# KiCad board woodpecker.kicad_pcb (continued)
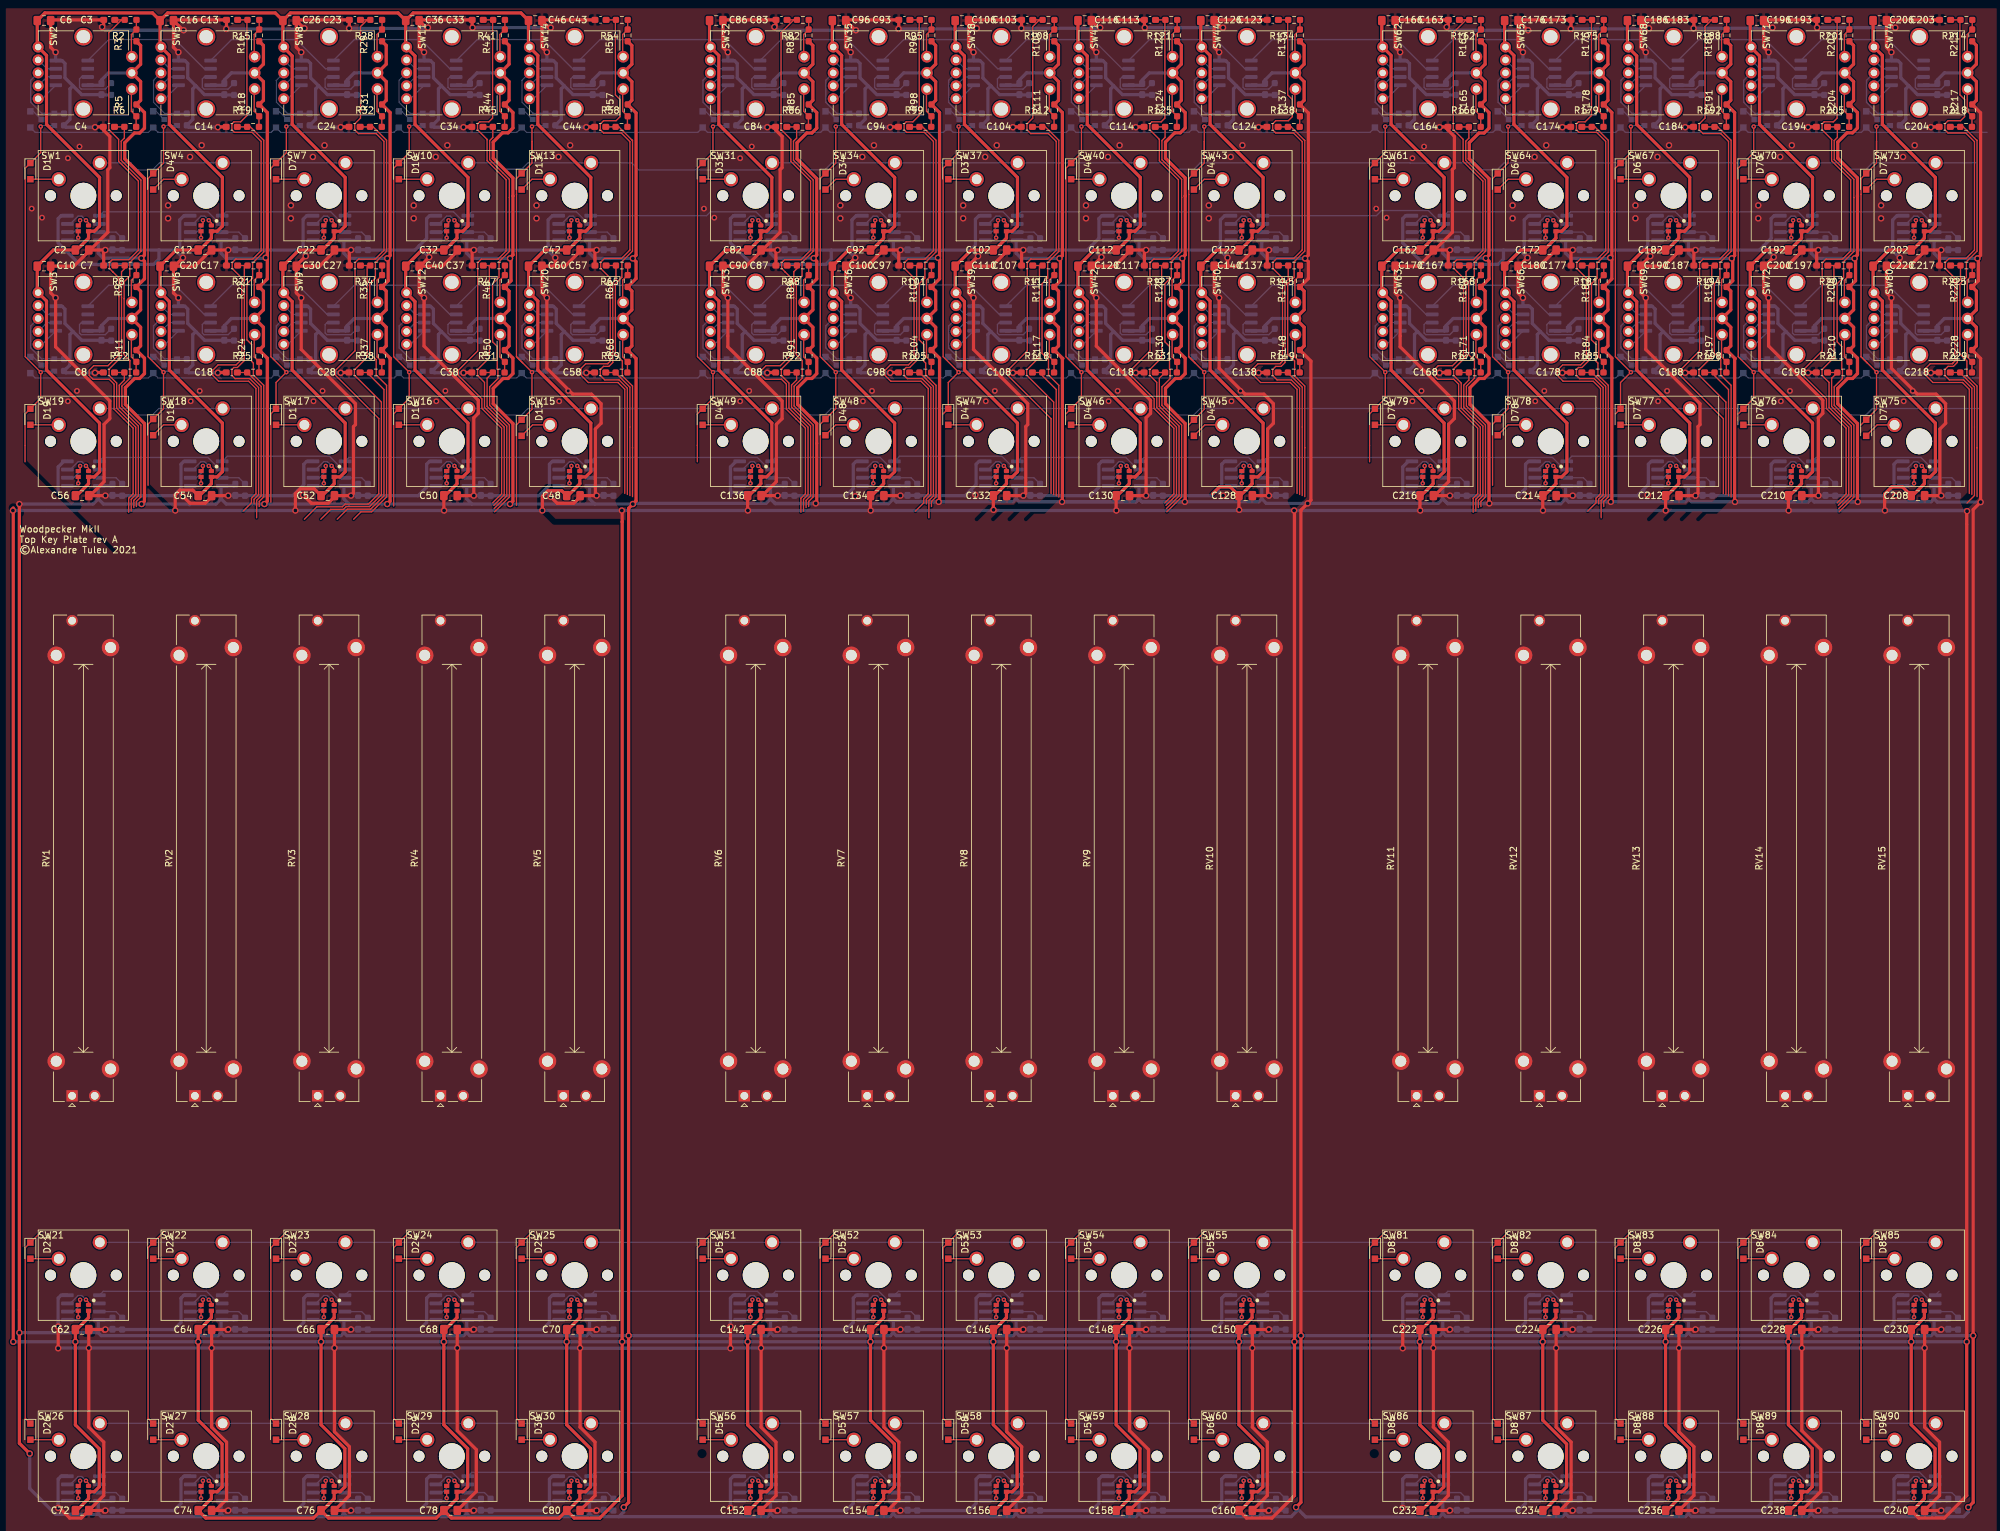
[diagram p0: board, top side]
## Placement (name value [footprint] x y rotation side) (continued)
D2  1N4148WS  [D_SOD-323_HandSoldering]  0 215.2 270 bottom
D3  1N4148WS  [D_SOD-323_HandSoldering]  0 177.2 270 bottom
D4  1N4148WS  [D_SOD-323_HandSoldering]  19 205.6 270 top
D5  1N4148WS  [D_SOD-323_HandSoldering]  19 215.2 270 bottom
D6  1N4148WS  [D_SOD-323_HandSoldering]  19 177.2 270 bottom
D7  1N4148WS  [D_SOD-323_HandSoldering]  38 207.2 270 top
D8  1N4148WS  [D_SOD-323_HandSoldering]  38 215.2 270 bottom
D9  1N4148WS  [D_SOD-323_HandSoldering]  38 177.2 270 bottom
D10  1N4148WS  [D_SOD-323_HandSoldering]  57 207.2 270 top
D11  1N4148WS  [D_SOD-323_HandSoldering]  57 215.2 270 bottom
D12  1N4148WS  [D_SOD-323_HandSoldering]  57 177.2 270 bottom
D13  1N4148WS  [D_SOD-323_HandSoldering]  76 205.6 270 top
D14  1N4148WS  [D_SOD-323_HandSoldering]  76 215.2 270 bottom
D15  1N4148WS  [D_SOD-323_HandSoldering]  76 167.5 270 top
D16  1N4148WS  [D_SOD-323_HandSoldering]  57 169.2 270 top
D17  1N4148WS  [D_SOD-323_HandSoldering]  38 169.2 270 top
D18  1N4148WS  [D_SOD-323_HandSoldering]  19 167.6 270 top
D19  1N4148WS  [D_SOD-323_HandSoldering]  0 169.2 270 top
D20  1N4148WS  [D_SOD-323_HandSoldering]  76 177.2 270 bottom
D21  1N4148WS  [D_SOD-323_HandSoldering]  0 40.2 270 top
D22  1N4148WS  [D_SOD-323_HandSoldering]  19 40.2 270 top
D23  1N4148WS  [D_SOD-323_HandSoldering]  38 40.2 270 top
D24  1N4148WS  [D_SOD-323_HandSoldering]  57 40.2 270 top
D25  1N4148WS  [D_SOD-323_HandSoldering]  76 40.2 270 top
D26  1N4148WS  [D_SOD-323_HandSoldering]  0 12.2 270 top
D27  1N4148WS  [D_SOD-323_HandSoldering]  19 12.2 270 top
D28  1N4148WS  [D_SOD-323_HandSoldering]  38 12.2 270 top
D29  1N4148WS  [D_SOD-323_HandSoldering]  57 12.2 270 top
D30  1N4148WS  [D_SOD-323_HandSoldering]  76 12.2 270 top
D31  1N4148WS  [D_SOD-323_HandSoldering]  104 207.2 270 top
D32  1N4148WS  [D_SOD-323_HandSoldering]  104 215.2 270 bottom
D33  1N4148WS  [D_SOD-323_HandSoldering]  104 177.2 270 bottom
D34  1N4148WS  [D_SOD-323_HandSoldering]  123 205.6 270 top
D35  1N4148WS  [D_SOD-323_HandSoldering]  123 215.2 270 bottom
D36  1N4148WS  [D_SOD-323_HandSoldering]  123 177.2 270 bottom
D37  1N4148WS  [D_SOD-323_HandSoldering]  142 207.2 270 top
D38  1N4148WS  [D_SOD-323_HandSoldering]  142 215.2 270 bottom
D39  1N4148WS  [D_SOD-323_HandSoldering]  142 177.2 270 bottom
D40  1N4148WS  [D_SOD-323_HandSoldering]  161 207.2 270 top
D41  1N4148WS  [D_SOD-323_HandSoldering]  161 215.2 270 bottom
D42  1N4148WS  [D_SOD-323_HandSoldering]  161 177.2 270 bottom
D43  1N4148WS  [D_SOD-323_HandSoldering]  180 205.6 270 top
D44  1N4148WS  [D_SOD-323_HandSoldering]  180 215.2 270 bottom
D45  1N4148WS  [D_SOD-323_HandSoldering]  180 167.5 270 top
D46  1N4148WS  [D_SOD-323_HandSoldering]  161 169.2 270 top
D47  1N4148WS  [D_SOD-323_HandSoldering]  142 169.2 270 top
D48  1N4148WS  [D_SOD-323_HandSoldering]  123 167.6 270 top
D49  1N4148WS  [D_SOD-323_HandSoldering]  104 169.2 270 top
D50  1N4148WS  [D_SOD-323_HandSoldering]  180 177.2 270 bottom
D51  1N4148WS  [D_SOD-323_HandSoldering]  104 40.2 270 top
D52  1N4148WS  [D_SOD-323_HandSoldering]  123 40.2 270 top
D53  1N4148WS  [D_SOD-323_HandSoldering]  142 40.2 270 top
D54  1N4148WS  [D_SOD-323_HandSoldering]  161 40.2 270 top
D55  1N4148WS  [D_SOD-323_HandSoldering]  180 40.2 270 top
D56  1N4148WS  [D_SOD-323_HandSoldering]  104 12.2 270 top
D57  1N4148WS  [D_SOD-323_HandSoldering]  123 12.2 270 top
D58  1N4148WS  [D_SOD-323_HandSoldering]  142 12.2 270 top
D59  1N4148WS  [D_SOD-323_HandSoldering]  161 12.2 270 top
D60  1N4148WS  [D_SOD-323_HandSoldering]  180 12.2 270 top
D61  1N4148WS  [D_SOD-323_HandSoldering]  208 207.2 270 top
D62  1N4148WS  [D_SOD-323_HandSoldering]  208 215.2 270 bottom
D63  1N4148WS  [D_SOD-323_HandSoldering]  208 177.2 270 bottom
D64  1N4148WS  [D_SOD-323_HandSoldering]  227 205.6 270 top
D65  1N4148WS  [D_SOD-323_HandSoldering]  227 215.2 270 bottom
D66  1N4148WS  [D_SOD-323_HandSoldering]  227 177.2 270 bottom
D67  1N4148WS  [D_SOD-323_HandSoldering]  246 207.2 270 top
D68  1N4148WS  [D_SOD-323_HandSoldering]  246 215.2 270 bottom
D69  1N4148WS  [D_SOD-323_HandSoldering]  246 177.2 270 bottom
D70  1N4148WS  [D_SOD-323_HandSoldering]  265 207.2 270 top
D71  1N4148WS  [D_SOD-323_HandSoldering]  265 215.2 270 bottom
D72  1N4148WS  [D_SOD-323_HandSoldering]  265 177.2 270 bottom
D73  1N4148WS  [D_SOD-323_HandSoldering]  284 205.6 270 top
D74  1N4148WS  [D_SOD-323_HandSoldering]  284 215.2 270 bottom
D75  1N4148WS  [D_SOD-323_HandSoldering]  284 167.5 270 top
D76  1N4148WS  [D_SOD-323_HandSoldering]  265 169.2 270 top
D77  1N4148WS  [D_SOD-323_HandSoldering]  246 169.2 270 top
D78  1N4148WS  [D_SOD-323_HandSoldering]  227 167.6 270 top
D79  1N4148WS  [D_SOD-323_HandSoldering]  208 169.2 270 top
D80  1N4148WS  [D_SOD-323_HandSoldering]  284 177.2 270 bottom
D81  1N4148WS  [D_SOD-323_HandSoldering]  208 40.2 270 top
D82  1N4148WS  [D_SOD-323_HandSoldering]  227 40.2 270 top
D83  1N4148WS  [D_SOD-323_HandSoldering]  246 40.2 270 top
D84  1N4148WS  [D_SOD-323_HandSoldering]  265 40.2 270 top
D85  1N4148WS  [D_SOD-323_HandSoldering]  284 40.2 270 top
D86  1N4148WS  [D_SOD-323_HandSoldering]  208 12.2 270 top
D87  1N4148WS  [D_SOD-323_HandSoldering]  227 12.2 270 top
D88  1N4148WS  [D_SOD-323_HandSoldering]  246 12.2 270 top
D89  1N4148WS  [D_SOD-323_HandSoldering]  265 12.2 270 top
D90  1N4148WS  [D_SOD-323_HandSoldering]  284 12.2 270 top
Q1  BSS138  [SOT-23]  2.7 215.2 180 bottom
Q2  BSS138  [SOT-23]  2.7 177.2 180 bottom
Q3  BSS138  [SOT-23]  21.7 215.2 180 bottom
Q4  BSS138  [SOT-23]  21.7 177.2 180 bottom
Q5  BSS138  [SOT-23]  40.7 215.2 180 bottom
Q6  BSS138  [SOT-23]  40.7 177.2 180 bottom
Q7  BSS138  [SOT-23]  59.7 215.2 180 bottom
Q8  BSS138  [SOT-23]  59.7 177.2 180 bottom
Q9  BSS138  [SOT-23]  78.7 215.2 180 bottom
Q10  BSS138  [SOT-23]  78.7 177.2 180 bottom
Q11  BSS138  [SOT-23]  106.7 215.2 180 bottom
Q12  BSS138  [SOT-23]  106.7 177.2 180 bottom
Q13  BSS138  [SOT-23]  125.7 215.2 180 bottom
Q14  BSS138  [SOT-23]  125.7 177.2 180 bottom
Q15  BSS138  [SOT-23]  144.7 215.2 180 bottom
Q16  BSS138  [SOT-23]  144.7 177.2 180 bottom
Q17  BSS138  [SOT-23]  163.7 215.2 180 bottom
Q18  BSS138  [SOT-23]  163.7 177.2 180 bottom
Q19  BSS138  [SOT-23]  182.7 215.2 180 bottom
Q20  BSS138  [SOT-23]  182.7 177.2 180 bottom
Q21  BSS138  [SOT-23]  210.7 215.2 180 bottom
Q22  BSS138  [SOT-23]  210.7 177.2 180 bottom
Q23  BSS138  [SOT-23]  229.7 215.2 180 bottom
Q24  BSS138  [SOT-23]  229.7 177.2 180 bottom
Q25  BSS138  [SOT-23]  248.7 215.2 180 bottom
Q26  BSS138  [SOT-23]  248.7 177.2 180 bottom
Q27  BSS138  [SOT-23]  267.7 215.2 180 bottom
Q28  BSS138  [SOT-23]  267.7 177.2 180 bottom
Q29  BSS138  [SOT-23]  286.7 215.2 180 bottom
Q30  BSS138  [SOT-23]  286.7 177.2 180 bottom
R1  10.5K  [R_0603_1608Metric_Pad0.98x0.95mm_HandSolder]  14.2 195.9 270 bottom
R2  10K  [R_0603_1608Metric_Pad0.98x0.95mm_HandSolder]  15.5 230.6 180 top
R3  10K  [R_0603_1608Metric_Pad0.98x0.95mm_HandSolder]  16.4 228.2 90 top
R4  10.5K  [R_0603_1608Metric_Pad0.98x0.95mm_HandSolder]  12.5 219.9 270 bottom
R5  10K  [R_0603_1608Metric_Pad0.98x0.95mm_HandSolder]  16.4 216.6 270 top
R6  10K  [R_0603_1608Metric_Pad0.98x0.95mm_HandSolder]  15.45 214.05 0 top
R7  10K  [R_0603_1608Metric_Pad0.98x0.95mm_HandSolder]  5.2 215.2 270 bottom
R8  10K  [R_0603_1608Metric_Pad0.98x0.95mm_HandSolder]  15.5 192.6 180 top
R9  10K  [R_0603_1608Metric_Pad0.98x0.95mm_HandSolder]  16.4 190.2 90 top
R10  10.5K  [R_0603_1608Metric_Pad0.98x0.95mm_HandSolder]  12.5 181.9 270 bottom
R11  10K  [R_0603_1608Metric_Pad0.98x0.95mm_HandSolder]  16.4 178.6 270 top
R12  10K  [R_0603_1608Metric_Pad0.98x0.95mm_HandSolder]  15.45 176.05 0 top
R13  10K  [R_0603_1608Metric_Pad0.98x0.95mm_HandSolder]  5.2 177.2 270 bottom
R14  10.5K  [R_0603_1608Metric_Pad0.98x0.95mm_HandSolder]  33.2 195.9 270 bottom
R15  10K  [R_0603_1608Metric_Pad0.98x0.95mm_HandSolder]  34.5 230.6 180 top
R16  10K  [R_0603_1608Metric_Pad0.98x0.95mm_HandSolder]  35.4 228.2 90 top
R17  10.5K  [R_0603_1608Metric_Pad0.98x0.95mm_HandSolder]  31.5 219.9 270 bottom
R18  10K  [R_0603_1608Metric_Pad0.98x0.95mm_HandSolder]  35.4 216.6 270 top
R19  10K  [R_0603_1608Metric_Pad0.98x0.95mm_HandSolder]  34.45 214.05 0 top
R20  10K  [R_0603_1608Metric_Pad0.98x0.95mm_HandSolder]  24.2 215.2 270 bottom
R21  10K  [R_0603_1608Metric_Pad0.98x0.95mm_HandSolder]  34.5 192.6 180 top
R22  10K  [R_0603_1608Metric_Pad0.98x0.95mm_HandSolder]  35.4 190.2 90 top
R23  10.5K  [R_0603_1608Metric_Pad0.98x0.95mm_HandSolder]  31.5 181.9 270 bottom
R24  10K  [R_0603_1608Metric_Pad0.98x0.95mm_HandSolder]  35.4 178.6 270 top
R25  10K  [R_0603_1608Metric_Pad0.98x0.95mm_HandSolder]  34.45 176.05 0 top
R26  10K  [R_0603_1608Metric_Pad0.98x0.95mm_HandSolder]  24.2 177.2 270 bottom
R27  10.5K  [R_0603_1608Metric_Pad0.98x0.95mm_HandSolder]  52.2 195.9 270 bottom
R28  10K  [R_0603_1608Metric_Pad0.98x0.95mm_HandSolder]  53.5 230.6 180 top
R29  10K  [R_0603_1608Metric_Pad0.98x0.95mm_HandSolder]  54.4 228.2 90 top
R30  10.5K  [R_0603_1608Metric_Pad0.98x0.95mm_HandSolder]  50.5 219.9 270 bottom
R31  10K  [R_0603_1608Metric_Pad0.98x0.95mm_HandSolder]  54.4 216.6 270 top
R32  10K  [R_0603_1608Metric_Pad0.98x0.95mm_HandSolder]  53.45 214.05 0 top
R33  10K  [R_0603_1608Metric_Pad0.98x0.95mm_HandSolder]  43.2 215.2 270 bottom
R34  10K  [R_0603_1608Metric_Pad0.98x0.95mm_HandSolder]  53.5 192.6 180 top
R35  10K  [R_0603_1608Metric_Pad0.98x0.95mm_HandSolder]  54.4 190.2 90 top
R36  10.5K  [R_0603_1608Metric_Pad0.98x0.95mm_HandSolder]  50.5 181.9 270 bottom
R37  10K  [R_0603_1608Metric_Pad0.98x0.95mm_HandSolder]  54.4 178.6 270 top
R38  10K  [R_0603_1608Metric_Pad0.98x0.95mm_HandSolder]  53.45 176.05 0 top
R39  10K  [R_0603_1608Metric_Pad0.98x0.95mm_HandSolder]  43.2 177.2 270 bottom
R40  10.5K  [R_0603_1608Metric_Pad0.98x0.95mm_HandSolder]  71.2 195.9 270 bottom
R41  10K  [R_0603_1608Metric_Pad0.98x0.95mm_HandSolder]  72.5 230.6 180 top
R42  10K  [R_0603_1608Metric_Pad0.98x0.95mm_HandSolder]  73.4 228.2 90 top
R43  10.5K  [R_0603_1608Metric_Pad0.98x0.95mm_HandSolder]  69.5 219.9 270 bottom
R44  10K  [R_0603_1608Metric_Pad0.98x0.95mm_HandSolder]  73.4 216.6 270 top
R45  10K  [R_0603_1608Metric_Pad0.98x0.95mm_HandSolder]  72.45 214.05 0 top
R46  10K  [R_0603_1608Metric_Pad0.98x0.95mm_HandSolder]  62.2 215.2 270 bottom
R47  10K  [R_0603_1608Metric_Pad0.98x0.95mm_HandSolder]  72.5 192.6 180 top
R48  10K  [R_0603_1608Metric_Pad0.98x0.95mm_HandSolder]  73.4 190.2 90 top
R49  10.5K  [R_0603_1608Metric_Pad0.98x0.95mm_HandSolder]  69.5 181.9 270 bottom
R50  10K  [R_0603_1608Metric_Pad0.98x0.95mm_HandSolder]  73.4 178.6 270 top
R51  10K  [R_0603_1608Metric_Pad0.98x0.95mm_HandSolder]  72.45 176.05 0 top
R52  10K  [R_0603_1608Metric_Pad0.98x0.95mm_HandSolder]  62.2 177.2 270 bottom
R53  10.5K  [R_0603_1608Metric_Pad0.98x0.95mm_HandSolder]  90.2 195.9 270 bottom
R54  10K  [R_0603_1608Metric_Pad0.98x0.95mm_HandSolder]  91.5 230.6 180 top
R55  10K  [R_0603_1608Metric_Pad0.98x0.95mm_HandSolder]  92.4 228.2 90 top
R56  10.5K  [R_0603_1608Metric_Pad0.98x0.95mm_HandSolder]  88.5 219.9 270 bottom
R57  10K  [R_0603_1608Metric_Pad0.98x0.95mm_HandSolder]  92.4 216.6 270 top
R58  10K  [R_0603_1608Metric_Pad0.98x0.95mm_HandSolder]  91.45 214.05 0 top
R59  10K  [R_0603_1608Metric_Pad0.98x0.95mm_HandSolder]  81.2 215.2 270 bottom
R60  10.5K  [R_0603_1608Metric_Pad0.98x0.95mm_HandSolder]  90.2 157.9 270 bottom
R61  10.5K  [R_0603_1608Metric_Pad0.98x0.95mm_HandSolder]  71.2 157.9 270 bottom
R62  10.5K  [R_0603_1608Metric_Pad0.98x0.95mm_HandSolder]  52.2 157.9 270 bottom
R63  10.5K  [R_0603_1608Metric_Pad0.98x0.95mm_HandSolder]  33.2 157.9 270 bottom
R64  10.5K  [R_0603_1608Metric_Pad0.98x0.95mm_HandSolder]  14.2 157.9 270 bottom
R65  10K  [R_0603_1608Metric_Pad0.98x0.95mm_HandSolder]  91.5 192.6 180 top
R66  10K  [R_0603_1608Metric_Pad0.98x0.95mm_HandSolder]  92.4 190.2 90 top
R67  10.5K  [R_0603_1608Metric_Pad0.98x0.95mm_HandSolder]  88.5 181.9 270 bottom
R68  10K  [R_0603_1608Metric_Pad0.98x0.95mm_HandSolder]  92.4 178.6 270 top
R69  10K  [R_0603_1608Metric_Pad0.98x0.95mm_HandSolder]  91.45 176.05 0 top
R70  10K  [R_0603_1608Metric_Pad0.98x0.95mm_HandSolder]  81.2 177.2 270 bottom
R71  10.5K  [R_0603_1608Metric_Pad0.98x0.95mm_HandSolder]  14.2 28.9 270 bottom
R72  10.5K  [R_0603_1608Metric_Pad0.98x0.95mm_HandSolder]  33.2 28.9 270 bottom
R73  10.5K  [R_0603_1608Metric_Pad0.98x0.95mm_HandSolder]  52.2 28.9 270 bottom
R74  10.5K  [R_0603_1608Metric_Pad0.98x0.95mm_HandSolder]  71.2 28.9 270 bottom
R75  10.5K  [R_0603_1608Metric_Pad0.98x0.95mm_HandSolder]  90.2 28.9 270 bottom
R76  10.5K  [R_0603_1608Metric_Pad0.98x0.95mm_HandSolder]  14.2 0.9 270 bottom
R77  10.5K  [R_0603_1608Metric_Pad0.98x0.95mm_HandSolder]  33.2 0.9 270 bottom
R78  10.5K  [R_0603_1608Metric_Pad0.98x0.95mm_HandSolder]  52.2 0.9 270 bottom
R79  10.5K  [R_0603_1608Metric_Pad0.98x0.95mm_HandSolder]  71.2 0.9 270 bottom
R80  10.5K  [R_0603_1608Metric_Pad0.98x0.95mm_HandSolder]  90.2 0.9 270 bottom
R81  10.5K  [R_0603_1608Metric_Pad0.98x0.95mm_HandSolder]  118.2 195.9 270 bottom
R82  10K  [R_0603_1608Metric_Pad0.98x0.95mm_HandSolder]  119.5 230.6 180 top
R83  10K  [R_0603_1608Metric_Pad0.98x0.95mm_HandSolder]  120.4 228.2 90 top
R84  10.5K  [R_0603_1608Metric_Pad0.98x0.95mm_HandSolder]  116.5 219.9 270 bottom
R85  10K  [R_0603_1608Metric_Pad0.98x0.95mm_HandSolder]  120.4 216.6 270 top
R86  10K  [R_0603_1608Metric_Pad0.98x0.95mm_HandSolder]  119.45 214.05 0 top
R87  10K  [R_0603_1608Metric_Pad0.98x0.95mm_HandSolder]  109.2 215.2 270 bottom
R88  10K  [R_0603_1608Metric_Pad0.98x0.95mm_HandSolder]  119.5 192.6 180 top
R89  10K  [R_0603_1608Metric_Pad0.98x0.95mm_HandSolder]  120.4 190.2 90 top
R90  10.5K  [R_0603_1608Metric_Pad0.98x0.95mm_HandSolder]  116.5 181.9 270 bottom
R91  10K  [R_0603_1608Metric_Pad0.98x0.95mm_HandSolder]  120.4 178.6 270 top
R92  10K  [R_0603_1608Metric_Pad0.98x0.95mm_HandSolder]  119.45 176.05 0 top
R93  10K  [R_0603_1608Metric_Pad0.98x0.95mm_HandSolder]  109.2 177.2 270 bottom
R94  10.5K  [R_0603_1608Metric_Pad0.98x0.95mm_HandSolder]  137.2 195.9 270 bottom
R95  10K  [R_0603_1608Metric_Pad0.98x0.95mm_HandSolder]  138.5 230.6 180 top
R96  10K  [R_0603_1608Metric_Pad0.98x0.95mm_HandSolder]  139.4 228.2 90 top
R97  10.5K  [R_0603_1608Metric_Pad0.98x0.95mm_HandSolder]  135.5 219.9 270 bottom
R98  10K  [R_0603_1608Metric_Pad0.98x0.95mm_HandSolder]  139.4 216.6 270 top
R99  10K  [R_0603_1608Metric_Pad0.98x0.95mm_HandSolder]  138.45 214.05 0 top
R100  10K  [R_0603_1608Metric_Pad0.98x0.95mm_HandSolder]  128.2 215.2 270 bottom
R101  10K  [R_0603_1608Metric_Pad0.98x0.95mm_HandSolder]  138.5 192.6 180 top
R102  10K  [R_0603_1608Metric_Pad0.98x0.95mm_HandSolder]  139.4 190.2 90 top
R103  10.5K  [R_0603_1608Metric_Pad0.98x0.95mm_HandSolder]  135.5 181.9 270 bottom
R104  10K  [R_0603_1608Metric_Pad0.98x0.95mm_HandSolder]  139.4 178.6 270 top
R105  10K  [R_0603_1608Metric_Pad0.98x0.95mm_HandSolder]  138.45 176.05 0 top
R106  10K  [R_0603_1608Metric_Pad0.98x0.95mm_HandSolder]  128.2 177.2 270 bottom
R107  10.5K  [R_0603_1608Metric_Pad0.98x0.95mm_HandSolder]  156.2 195.9 270 bottom
R108  10K  [R_0603_1608Metric_Pad0.98x0.95mm_HandSolder]  157.5 230.6 180 top
R109  10K  [R_0603_1608Metric_Pad0.98x0.95mm_HandSolder]  158.4 228.2 90 top
R110  10.5K  [R_0603_1608Metric_Pad0.98x0.95mm_HandSolder]  154.5 219.9 270 bottom
R111  10K  [R_0603_1608Metric_Pad0.98x0.95mm_HandSolder]  158.4 216.6 270 top
R112  10K  [R_0603_1608Metric_Pad0.98x0.95mm_HandSolder]  157.45 214.05 0 top
R113  10K  [R_0603_1608Metric_Pad0.98x0.95mm_HandSolder]  147.2 215.2 270 bottom
R114  10K  [R_0603_1608Metric_Pad0.98x0.95mm_HandSolder]  157.5 192.6 180 top
R115  10K  [R_0603_1608Metric_Pad0.98x0.95mm_HandSolder]  158.4 190.2 90 top
R116  10.5K  [R_0603_1608Metric_Pad0.98x0.95mm_HandSolder]  154.5 181.9 270 bottom
R117  10K  [R_0603_1608Metric_Pad0.98x0.95mm_HandSolder]  158.4 178.6 270 top
R118  10K  [R_0603_1608Metric_Pad0.98x0.95mm_HandSolder]  157.45 176.05 0 top
R119  10K  [R_0603_1608Metric_Pad0.98x0.95mm_HandSolder]  147.2 177.2 270 bottom
R120  10.5K  [R_0603_1608Metric_Pad0.98x0.95mm_HandSolder]  175.2 195.9 270 bottom
R121  10K  [R_0603_1608Metric_Pad0.98x0.95mm_HandSolder]  176.5 230.6 180 top
R122  10K  [R_0603_1608Metric_Pad0.98x0.95mm_HandSolder]  177.4 228.2 90 top
R123  10.5K  [R_0603_1608Metric_Pad0.98x0.95mm_HandSolder]  173.5 219.9 270 bottom
R124  10K  [R_0603_1608Metric_Pad0.98x0.95mm_HandSolder]  177.4 216.6 270 top
R125  10K  [R_0603_1608Metric_Pad0.98x0.95mm_HandSolder]  176.45 214.05 0 top
R126  10K  [R_0603_1608Metric_Pad0.98x0.95mm_HandSolder]  166.2 215.2 270 bottom
R127  10K  [R_0603_1608Metric_Pad0.98x0.95mm_HandSolder]  176.5 192.6 180 top
R128  10K  [R_0603_1608Metric_Pad0.98x0.95mm_HandSolder]  177.4 190.2 90 top
R129  10.5K  [R_0603_1608Metric_Pad0.98x0.95mm_HandSolder]  173.5 181.9 270 bottom
R130  10K  [R_0603_1608Metric_Pad0.98x0.95mm_HandSolder]  177.4 178.6 270 top
R131  10K  [R_0603_1608Metric_Pad0.98x0.95mm_HandSolder]  176.45 176.05 0 top
R132  10K  [R_0603_1608Metric_Pad0.98x0.95mm_HandSolder]  166.2 177.2 270 bottom
R133  10.5K  [R_0603_1608Metric_Pad0.98x0.95mm_HandSolder]  194.2 195.9 270 bottom
R134  10K  [R_0603_1608Metric_Pad0.98x0.95mm_HandSolder]  195.5 230.6 180 top
R135  10K  [R_0603_1608Metric_Pad0.98x0.95mm_HandSolder]  196.4 228.2 90 top
R136  10.5K  [R_0603_1608Metric_Pad0.98x0.95mm_HandSolder]  192.5 219.9 270 bottom
R137  10K  [R_0603_1608Metric_Pad0.98x0.95mm_HandSolder]  196.4 216.6 270 top
R138  10K  [R_0603_1608Metric_Pad0.98x0.95mm_HandSolder]  195.45 214.05 0 top
R139  10K  [R_0603_1608Metric_Pad0.98x0.95mm_HandSolder]  185.2 215.2 270 bottom
R140  10.5K  [R_0603_1608Metric_Pad0.98x0.95mm_HandSolder]  194.2 157.9 270 bottom
R141  10.5K  [R_0603_1608Metric_Pad0.98x0.95mm_HandSolder]  175.2 157.9 270 bottom
R142  10.5K  [R_0603_1608Metric_Pad0.98x0.95mm_HandSolder]  156.2 157.9 270 bottom
R143  10.5K  [R_0603_1608Metric_Pad0.98x0.95mm_HandSolder]  137.2 157.9 270 bottom
R144  10.5K  [R_0603_1608Metric_Pad0.98x0.95mm_HandSolder]  118.2 157.9 270 bottom
R145  10K  [R_0603_1608Metric_Pad0.98x0.95mm_HandSolder]  195.5 192.6 180 top
R146  10K  [R_0603_1608Metric_Pad0.98x0.95mm_HandSolder]  196.4 190.2 90 top
R147  10.5K  [R_0603_1608Metric_Pad0.98x0.95mm_HandSolder]  192.5 181.9 270 bottom
R148  10K  [R_0603_1608Metric_Pad0.98x0.95mm_HandSolder]  196.4 178.6 270 top
R149  10K  [R_0603_1608Metric_Pad0.98x0.95mm_HandSolder]  195.45 176.05 0 top
R150  10K  [R_0603_1608Metric_Pad0.98x0.95mm_HandSolder]  185.2 177.2 270 bottom
R151  10.5K  [R_0603_1608Metric_Pad0.98x0.95mm_HandSolder]  118.2 28.9 270 bottom
R152  10.5K  [R_0603_1608Metric_Pad0.98x0.95mm_HandSolder]  137.2 28.9 270 bottom
R153  10.5K  [R_0603_1608Metric_Pad0.98x0.95mm_HandSolder]  156.2 28.9 270 bottom
R154  10.5K  [R_0603_1608Metric_Pad0.98x0.95mm_HandSolder]  175.2 28.9 270 bottom
R155  10.5K  [R_0603_1608Metric_Pad0.98x0.95mm_HandSolder]  194.2 28.9 270 bottom
R156  10.5K  [R_0603_1608Metric_Pad0.98x0.95mm_HandSolder]  118.2 0.9 270 bottom
R157  10.5K  [R_0603_1608Metric_Pad0.98x0.95mm_HandSolder]  137.2 0.9 270 bottom
R158  10.5K  [R_0603_1608Metric_Pad0.98x0.95mm_HandSolder]  156.2 0.9 270 bottom
R159  10.5K  [R_0603_1608Metric_Pad0.98x0.95mm_HandSolder]  175.2 0.9 270 bottom
R160  10.5K  [R_0603_1608Metric_Pad0.98x0.95mm_HandSolder]  194.2 0.9 270 bottom
R161  10.5K  [R_0603_1608Metric_Pad0.98x0.95mm_HandSolder]  222.2 195.9 270 bottom
R162  10K  [R_0603_1608Metric_Pad0.98x0.95mm_HandSolder]  223.5 230.6 180 top
R163  10K  [R_0603_1608Metric_Pad0.98x0.95mm_HandSolder]  224.4 228.2 90 top
R164  10.5K  [R_0603_1608Metric_Pad0.98x0.95mm_HandSolder]  220.5 219.9 270 bottom
R165  10K  [R_0603_1608Metric_Pad0.98x0.95mm_HandSolder]  224.4 216.6 270 top
R166  10K  [R_0603_1608Metric_Pad0.98x0.95mm_HandSolder]  223.45 214.05 0 top
R167  10K  [R_0603_1608Metric_Pad0.98x0.95mm_HandSolder]  213.2 215.2 270 bottom
R168  10K  [R_0603_1608Metric_Pad0.98x0.95mm_HandSolder]  223.5 192.6 180 top
R169  10K  [R_0603_1608Metric_Pad0.98x0.95mm_HandSolder]  224.4 190.2 90 top
R170  10.5K  [R_0603_1608Metric_Pad0.98x0.95mm_HandSolder]  220.5 181.9 270 bottom
R171  10K  [R_0603_1608Metric_Pad0.98x0.95mm_HandSolder]  224.4 178.6 270 top
R172  10K  [R_0603_1608Metric_Pad0.98x0.95mm_HandSolder]  223.45 176.05 0 top
R173  10K  [R_0603_1608Metric_Pad0.98x0.95mm_HandSolder]  213.2 177.2 270 bottom
R174  10.5K  [R_0603_1608Metric_Pad0.98x0.95mm_HandSolder]  241.2 195.9 270 bottom
R175  10K  [R_0603_1608Metric_Pad0.98x0.95mm_HandSolder]  242.5 230.6 180 top
R176  10K  [R_0603_1608Metric_Pad0.98x0.95mm_HandSolder]  243.4 228.2 90 top
R177  10.5K  [R_0603_1608Metric_Pad0.98x0.95mm_HandSolder]  239.5 219.9 270 bottom
R178  10K  [R_0603_1608Metric_Pad0.98x0.95mm_HandSolder]  243.4 216.6 270 top
R179  10K  [R_0603_1608Metric_Pad0.98x0.95mm_HandSolder]  242.45 214.05 0 top
R180  10K  [R_0603_1608Metric_Pad0.98x0.95mm_HandSolder]  232.2 215.2 270 bottom
R181  10K  [R_0603_1608Metric_Pad0.98x0.95mm_HandSolder]  242.5 192.6 180 top
R182  10K  [R_0603_1608Metric_Pad0.98x0.95mm_HandSolder]  243.4 190.2 90 top
R183  10.5K  [R_0603_1608Metric_Pad0.98x0.95mm_HandSolder]  239.5 181.9 270 bottom
R184  10K  [R_0603_1608Metric_Pad0.98x0.95mm_HandSolder]  243.4 178.6 270 top
R185  10K  [R_0603_1608Metric_Pad0.98x0.95mm_HandSolder]  242.45 176.05 0 top
R186  10K  [R_0603_1608Metric_Pad0.98x0.95mm_HandSolder]  232.2 177.2 270 bottom
R187  10.5K  [R_0603_1608Metric_Pad0.98x0.95mm_HandSolder]  260.2 195.9 270 bottom
R188  10K  [R_0603_1608Metric_Pad0.98x0.95mm_HandSolder]  261.5 230.6 180 top
R189  10K  [R_0603_1608Metric_Pad0.98x0.95mm_HandSolder]  262.4 228.2 90 top
R190  10.5K  [R_0603_1608Metric_Pad0.98x0.95mm_HandSolder]  258.5 219.9 270 bottom
R191  10K  [R_0603_1608Metric_Pad0.98x0.95mm_HandSolder]  262.4 216.6 270 top
R192  10K  [R_0603_1608Metric_Pad0.98x0.95mm_HandSolder]  261.45 214.05 0 top
R193  10K  [R_0603_1608Metric_Pad0.98x0.95mm_HandSolder]  251.2 215.2 270 bottom
R194  10K  [R_0603_1608Metric_Pad0.98x0.95mm_HandSolder]  261.5 192.6 180 top
R195  10K  [R_0603_1608Metric_Pad0.98x0.95mm_HandSolder]  262.4 190.2 90 top
R196  10.5K  [R_0603_1608Metric_Pad0.98x0.95mm_HandSolder]  258.5 181.9 270 bottom
R197  10K  [R_0603_1608Metric_Pad0.98x0.95mm_HandSolder]  262.4 178.6 270 top
R198  10K  [R_0603_1608Metric_Pad0.98x0.95mm_HandSolder]  261.45 176.05 0 top
R199  10K  [R_0603_1608Metric_Pad0.98x0.95mm_HandSolder]  251.2 177.2 270 bottom
R200  10.5K  [R_0603_1608Metric_Pad0.98x0.95mm_HandSolder]  279.2 195.9 270 bottom
R201  10K  [R_0603_1608Metric_Pad0.98x0.95mm_HandSolder]  280.5 230.6 180 top
R202  10K  [R_0603_1608Metric_Pad0.98x0.95mm_HandSolder]  281.4 228.2 90 top
R203  10.5K  [R_0603_1608Metric_Pad0.98x0.95mm_HandSolder]  277.5 219.9 270 bottom
R204  10K  [R_0603_1608Metric_Pad0.98x0.95mm_HandSolder]  281.4 216.6 270 top
R205  10K  [R_0603_1608Metric_Pad0.98x0.95mm_HandSolder]  280.45 214.05 0 top
R206  10K  [R_0603_1608Metric_Pad0.98x0.95mm_HandSolder]  270.2 215.2 270 bottom
R207  10K  [R_0603_1608Metric_Pad0.98x0.95mm_HandSolder]  280.5 192.6 180 top
R208  10K  [R_0603_1608Metric_Pad0.98x0.95mm_HandSolder]  281.4 190.2 90 top
R209  10.5K  [R_0603_1608Metric_Pad0.98x0.95mm_HandSolder]  277.5 181.9 270 bottom
R210  10K  [R_0603_1608Metric_Pad0.98x0.95mm_HandSolder]  281.4 178.6 270 top
R211  10K  [R_0603_1608Metric_Pad0.98x0.95mm_HandSolder]  280.45 176.05 0 top
R212  10K  [R_0603_1608Metric_Pad0.98x0.95mm_HandSolder]  270.2 177.2 270 bottom
R213  10.5K  [R_0603_1608Metric_Pad0.98x0.95mm_HandSolder]  298.2 195.9 270 bottom
R214  10K  [R_0603_1608Metric_Pad0.98x0.95mm_HandSolder]  299.5 230.6 180 top
R215  10K  [R_0603_1608Metric_Pad0.98x0.95mm_HandSolder]  300.4 228.2 90 top
R216  10.5K  [R_0603_1608Metric_Pad0.98x0.95mm_HandSolder]  296.5 219.9 270 bottom
R217  10K  [R_0603_1608Metric_Pad0.98x0.95mm_HandSolder]  300.4 216.6 270 top
R218  10K  [R_0603_1608Metric_Pad0.98x0.95mm_HandSolder]  299.45 214.05 0 top
R219  10K  [R_0603_1608Metric_Pad0.98x0.95mm_HandSolder]  289.2 215.2 270 bottom
R220  10.5K  [R_0603_1608Metric_Pad0.98x0.95mm_HandSolder]  298.2 157.9 270 bottom
R221  10.5K  [R_0603_1608Metric_Pad0.98x0.95mm_HandSolder]  279.2 157.9 270 bottom
R222  10.5K  [R_0603_1608Metric_Pad0.98x0.95mm_HandSolder]  260.2 157.9 270 bottom
R223  10.5K  [R_0603_1608Metric_Pad0.98x0.95mm_HandSolder]  241.2 157.9 270 bottom
R224  10.5K  [R_0603_1608Metric_Pad0.98x0.95mm_HandSolder]  222.2 157.9 270 bottom
R225  10K  [R_0603_1608Metric_Pad0.98x0.95mm_HandSolder]  299.5 192.6 180 top
R226  10K  [R_0603_1608Metric_Pad0.98x0.95mm_HandSolder]  300.4 190.2 90 top
R227  10.5K  [R_0603_1608Metric_Pad0.98x0.95mm_HandSolder]  296.5 181.9 270 bottom
R228  10K  [R_0603_1608Metric_Pad0.98x0.95mm_HandSolder]  300.4 178.6 270 top
R229  10K  [R_0603_1608Metric_Pad0.98x0.95mm_HandSolder]  299.45 176.05 0 top
R230  10K  [R_0603_1608Metric_Pad0.98x0.95mm_HandSolder]  289.2 177.2 270 bottom
R231  10.5K  [R_0603_1608Metric_Pad0.98x0.95mm_HandSolder]  222.2 28.9 270 bottom
R232  10.5K  [R_0603_1608Metric_Pad0.98x0.95mm_HandSolder]  241.2 28.9 270 bottom
R233  10.5K  [R_0603_1608Metric_Pad0.98x0.95mm_HandSolder]  260.2 28.9 270 bottom
R234  10.5K  [R_0603_1608Metric_Pad0.98x0.95mm_HandSolder]  279.2 28.9 270 bottom
R235  10.5K  [R_0603_1608Metric_Pad0.98x0.95mm_HandSolder]  298.2 28.9 270 bottom
R236  10.5K  [R_0603_1608Metric_Pad0.98x0.95mm_HandSolder]  222.2 0.9 270 bottom
R237  10.5K  [R_0603_1608Metric_Pad0.98x0.95mm_HandSolder]  241.2 0.9 270 bottom
R238  10.5K  [R_0603_1608Metric_Pad0.98x0.95mm_HandSolder]  260.2 0.9 270 bottom
R239  10.5K  [R_0603_1608Metric_Pad0.98x0.95mm_HandSolder]  279.2 0.9 270 bottom
R240  10.5K  [R_0603_1608Metric_Pad0.98x0.95mm_HandSolder]  298.2 0.9 270 bottom
RV1  10k  [Potentiometer_Bourns_PTA6043_Single_Slide]  8.2 100.9 90 top
RV2  10k  [Potentiometer_Bourns_PTA6043_Single_Slide]  27.2 100.9 90 top
RV3  10k  [Potentiometer_Bourns_PTA6043_Single_Slide]  46.2 100.9 90 top
RV4  10k  [Potentiometer_Bourns_PTA6043_Single_Slide]  65.2 100.9 90 top
RV5  10k  [Potentiometer_Bourns_PTA6043_Single_Slide]  84.2 100.9 90 top
RV6  10k  [Potentiometer_Bourns_PTA6043_Single_Slide]  112.2 100.9 90 top
RV7  10k  [Potentiometer_Bourns_PTA6043_Single_Slide]  131.2 100.9 90 top
RV8  10k  [Potentiometer_Bourns_PTA6043_Single_Slide]  150.2 100.9 90 top
RV9  10k  [Potentiometer_Bourns_PTA6043_Single_Slide]  169.2 100.9 90 top
RV10  10k  [Potentiometer_Bourns_PTA6043_Single_Slide]  188.2 100.9 90 top
RV11  10k  [Potentiometer_Bourns_PTA6043_Single_Slide]  216.2 100.9 90 top
RV12  10k  [Potentiometer_Bourns_PTA6043_Single_Slide]  235.2 100.9 90 top
RV13  10k  [Potentiometer_Bourns_PTA6043_Single_Slide]  254.2 100.9 90 top
RV14  10k  [Potentiometer_Bourns_PTA6043_Single_Slide]  273.2 100.9 90 top
RV15  10k  [Potentiometer_Bourns_PTA6043_Single_Slide]  292.2 100.9 90 top
SW1  Cherry_MX_LED  [SW_Cherry_MX_1.00u_PCB_SMD_LED]  8.2 203.4 0 top
SW2  PEL12T  [PEL12T-4xxxS-S1024]  8.2 222.4 90 top
SW3  PEL12T  [PEL12T-4xxxS-S1024]  8.2 184.4 90 top
SW4  Cherry_MX_LED  [SW_Cherry_MX_1.00u_PCB_SMD_LED]  27.2 203.4 0 top
SW5  PEL12T  [PEL12T-4xxxS-S1024]  27.2 222.4 90 top
SW6  PEL12T  [PEL12T-4xxxS-S1024]  27.2 184.4 90 top
SW7  Cherry_MX_LED  [SW_Cherry_MX_1.00u_PCB_SMD_LED]  46.2 203.4 0 top
SW8  PEL12T  [PEL12T-4xxxS-S1024]  46.2 222.4 90 top
SW9  PEL12T  [PEL12T-4xxxS-S1024]  46.2 184.4 90 top
SW10  Cherry_MX_LED  [SW_Cherry_MX_1.00u_PCB_SMD_LED]  65.2 203.4 0 top
SW11  PEL12T  [PEL12T-4xxxS-S1024]  65.2 222.4 90 top
SW12  PEL12T  [PEL12T-4xxxS-S1024]  65.2 184.4 90 top
SW13  Cherry_MX_LED  [SW_Cherry_MX_1.00u_PCB_SMD_LED]  84.2 203.4 0 top
SW14  PEL12T  [PEL12T-4xxxS-S1024]  84.2 222.4 90 top
SW15  Cherry_MX_LED  [SW_Cherry_MX_1.00u_PCB_SMD_LED]  84.2 165.4 0 top
SW16  Cherry_MX_LED  [SW_Cherry_MX_1.00u_PCB_SMD_LED]  65.2 165.4 0 top
SW17  Cherry_MX_LED  [SW_Cherry_MX_1.00u_PCB_SMD_LED]  46.2 165.4 0 top
SW18  Cherry_MX_LED  [SW_Cherry_MX_1.00u_PCB_SMD_LED]  27.2 165.4 0 top
SW19  Cherry_MX_LED  [SW_Cherry_MX_1.00u_PCB_SMD_LED]  8.2 165.4 0 top
SW20  PEL12T  [PEL12T-4xxxS-S1024]  84.2 184.4 90 top
SW21  Cherry_MX_LED  [SW_Cherry_MX_1.00u_PCB_SMD_LED]  8.2 36.4 0 top
SW22  Cherry_MX_LED  [SW_Cherry_MX_1.00u_PCB_SMD_LED]  27.2 36.4 0 top
SW23  Cherry_MX_LED  [SW_Cherry_MX_1.00u_PCB_SMD_LED]  46.2 36.4 0 top
SW24  Cherry_MX_LED  [SW_Cherry_MX_1.00u_PCB_SMD_LED]  65.2 36.4 0 top
SW25  Cherry_MX_LED  [SW_Cherry_MX_1.00u_PCB_SMD_LED]  84.2 36.4 0 top
SW26  Cherry_MX_LED  [SW_Cherry_MX_1.00u_PCB_SMD_LED]  8.2 8.4 0 top
SW27  Cherry_MX_LED  [SW_Cherry_MX_1.00u_PCB_SMD_LED]  27.2 8.4 0 top
SW28  Cherry_MX_LED  [SW_Cherry_MX_1.00u_PCB_SMD_LED]  46.2 8.4 0 top
SW29  Cherry_MX_LED  [SW_Cherry_MX_1.00u_PCB_SMD_LED]  65.2 8.4 0 top
SW30  Cherry_MX_LED  [SW_Cherry_MX_1.00u_PCB_SMD_LED]  84.2 8.4 0 top
SW31  Cherry_MX_LED  [SW_Cherry_MX_1.00u_PCB_SMD_LED]  112.2 203.4 0 top
SW32  PEL12T  [PEL12T-4xxxS-S1024]  112.2 222.4 90 top
SW33  PEL12T  [PEL12T-4xxxS-S1024]  112.2 184.4 90 top
SW34  Cherry_MX_LED  [SW_Cherry_MX_1.00u_PCB_SMD_LED]  131.2 203.4 0 top
SW35  PEL12T  [PEL12T-4xxxS-S1024]  131.2 222.4 90 top
SW36  PEL12T  [PEL12T-4xxxS-S1024]  131.2 184.4 90 top
SW37  Cherry_MX_LED  [SW_Cherry_MX_1.00u_PCB_SMD_LED]  150.2 203.4 0 top
SW38  PEL12T  [PEL12T-4xxxS-S1024]  150.2 222.4 90 top
SW39  PEL12T  [PEL12T-4xxxS-S1024]  150.2 184.4 90 top
SW40  Cherry_MX_LED  [SW_Cherry_MX_1.00u_PCB_SMD_LED]  169.2 203.4 0 top
SW41  PEL12T  [PEL12T-4xxxS-S1024]  169.2 222.4 90 top
SW42  PEL12T  [PEL12T-4xxxS-S1024]  169.2 184.4 90 top
SW43  Cherry_MX_LED  [SW_Cherry_MX_1.00u_PCB_SMD_LED]  188.2 203.4 0 top
SW44  PEL12T  [PEL12T-4xxxS-S1024]  188.2 222.4 90 top
SW45  Cherry_MX_LED  [SW_Cherry_MX_1.00u_PCB_SMD_LED]  188.2 165.4 0 top
SW46  Cherry_MX_LED  [SW_Cherry_MX_1.00u_PCB_SMD_LED]  169.2 165.4 0 top
SW47  Cherry_MX_LED  [SW_Cherry_MX_1.00u_PCB_SMD_LED]  150.2 165.4 0 top
SW48  Cherry_MX_LED  [SW_Cherry_MX_1.00u_PCB_SMD_LED]  131.2 165.4 0 top
SW49  Cherry_MX_LED  [SW_Cherry_MX_1.00u_PCB_SMD_LED]  112.2 165.4 0 top
SW50  PEL12T  [PEL12T-4xxxS-S1024]  188.2 184.4 90 top
SW51  Cherry_MX_LED  [SW_Cherry_MX_1.00u_PCB_SMD_LED]  112.2 36.4 0 top
SW52  Cherry_MX_LED  [SW_Cherry_MX_1.00u_PCB_SMD_LED]  131.2 36.4 0 top
SW53  Cherry_MX_LED  [SW_Cherry_MX_1.00u_PCB_SMD_LED]  150.2 36.4 0 top
SW54  Cherry_MX_LED  [SW_Cherry_MX_1.00u_PCB_SMD_LED]  169.2 36.4 0 top
SW55  Cherry_MX_LED  [SW_Cherry_MX_1.00u_PCB_SMD_LED]  188.2 36.4 0 top
SW56  Cherry_MX_LED  [SW_Cherry_MX_1.00u_PCB_SMD_LED]  112.2 8.4 0 top
SW57  Cherry_MX_LED  [SW_Cherry_MX_1.00u_PCB_SMD_LED]  131.2 8.4 0 top
SW58  Cherry_MX_LED  [SW_Cherry_MX_1.00u_PCB_SMD_LED]  150.2 8.4 0 top
SW59  Cherry_MX_LED  [SW_Cherry_MX_1.00u_PCB_SMD_LED]  169.2 8.4 0 top
SW60  Cherry_MX_LED  [SW_Cherry_MX_1.00u_PCB_SMD_LED]  188.2 8.4 0 top
SW61  Cherry_MX_LED  [SW_Cherry_MX_1.00u_PCB_SMD_LED]  216.2 203.4 0 top
SW62  PEL12T  [PEL12T-4xxxS-S1024]  216.2 222.4 90 top
SW63  PEL12T  [PEL12T-4xxxS-S1024]  216.2 184.4 90 top
